# Altium PCB PCB_MPPT_21062020.PcbDoc (part 2 of 3) (continued)
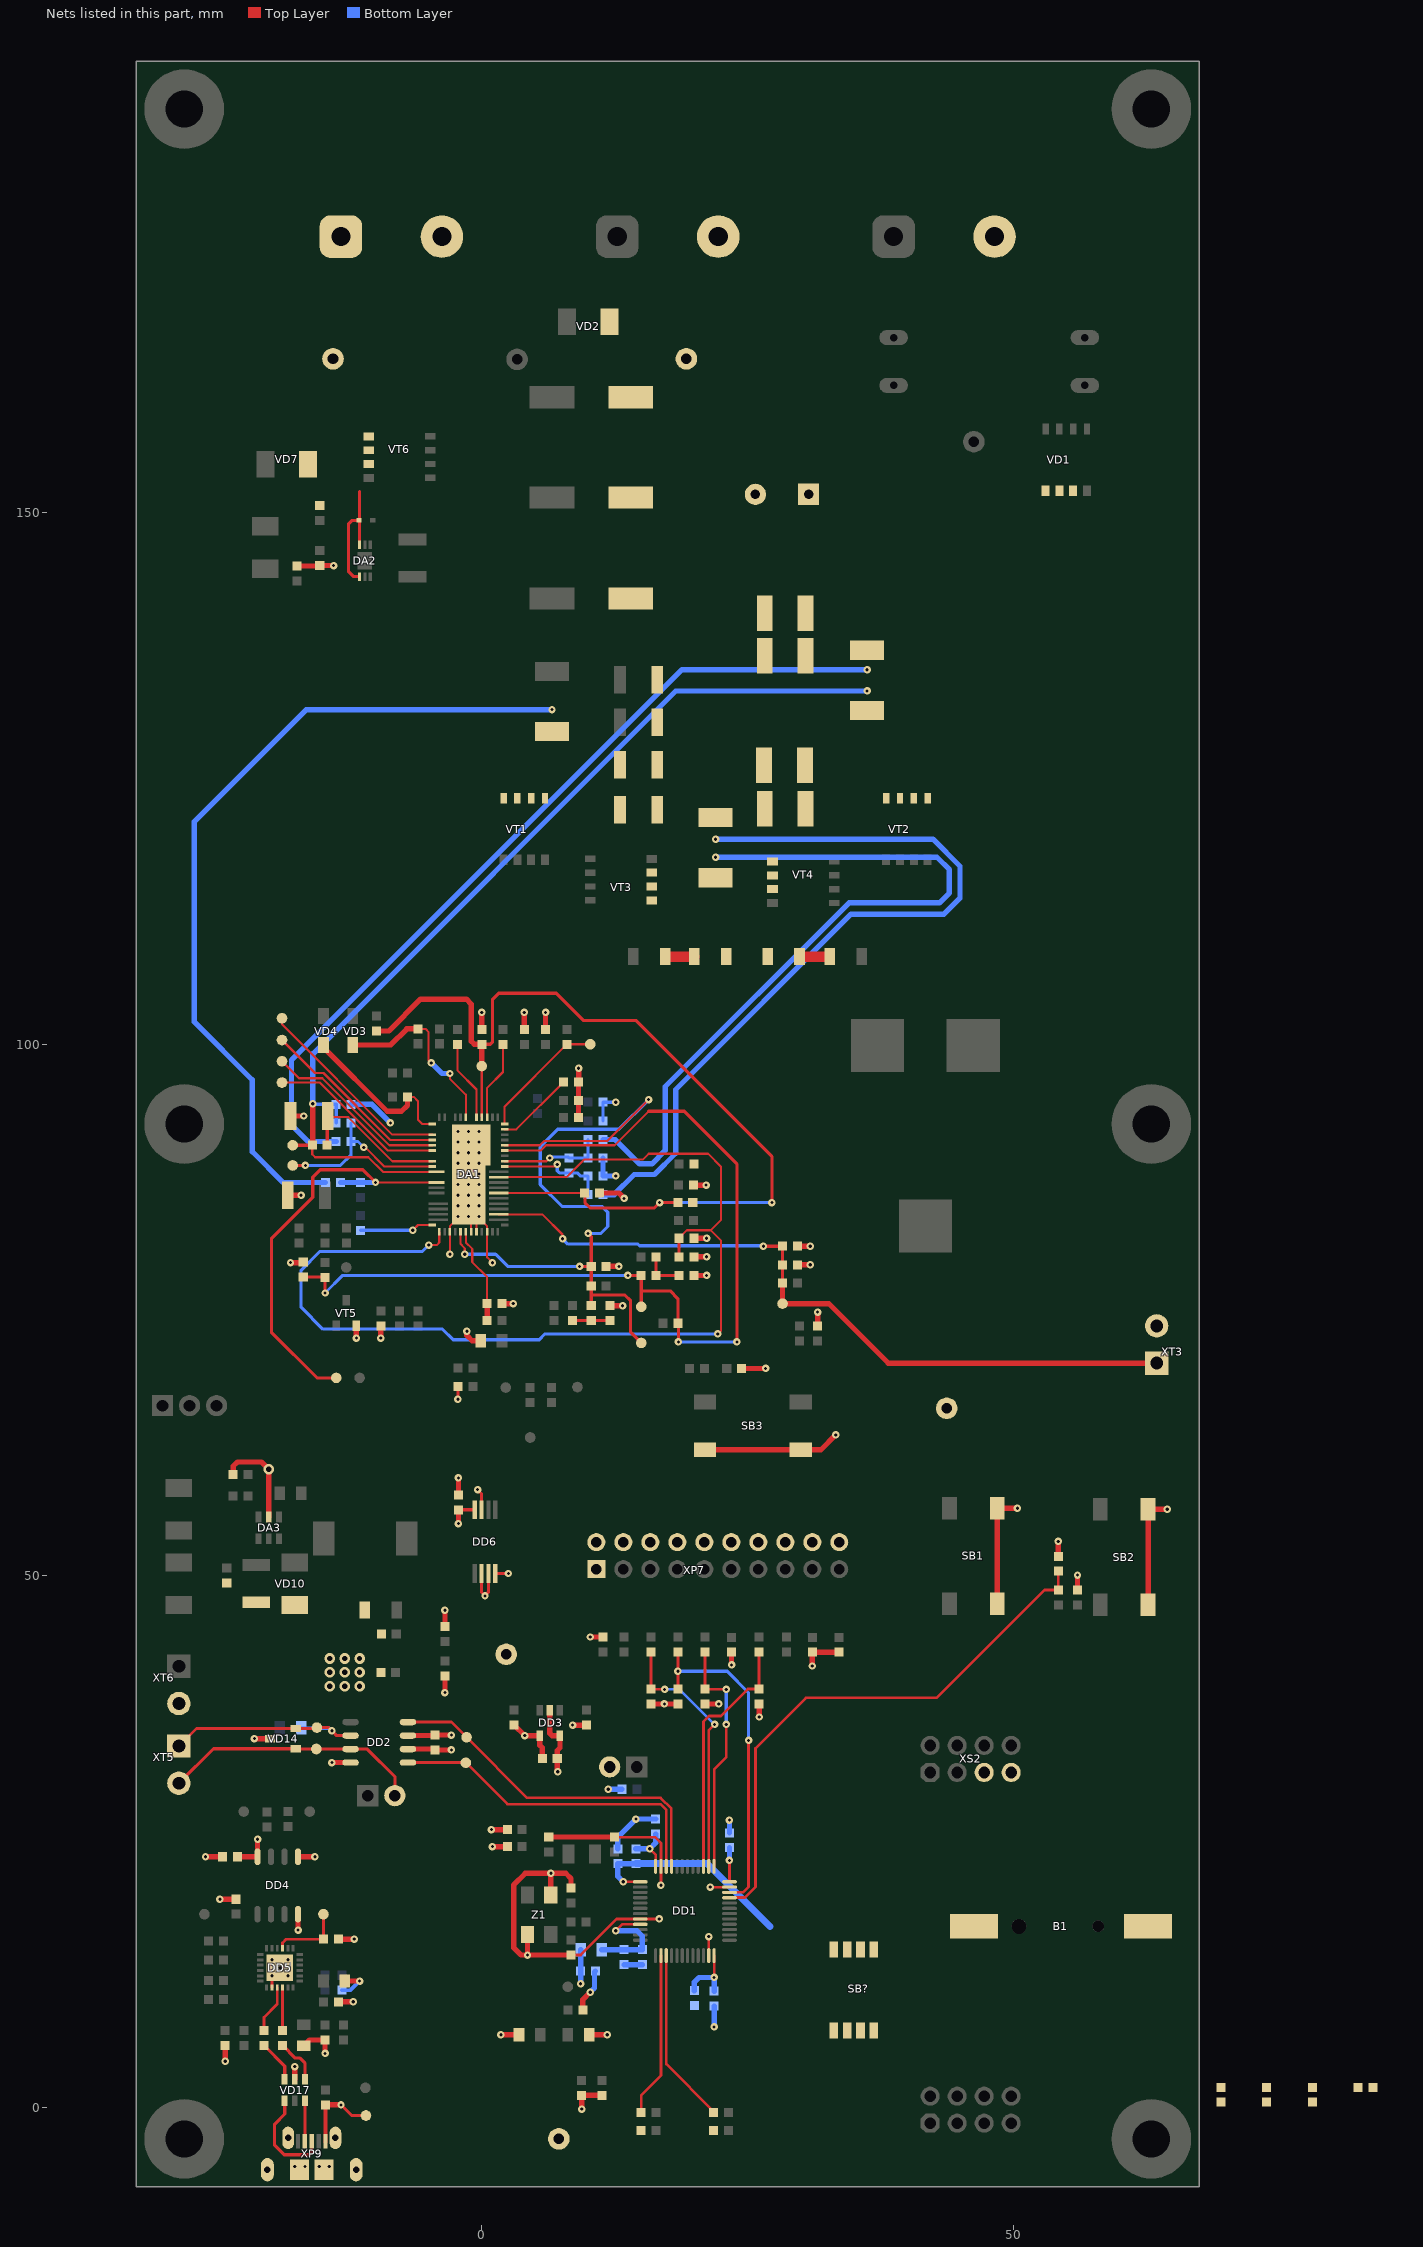
[diagram p4: the nets of this part, all layers, seen from the top]
## Part data (continued)
R47: library part Resistor_0603, Manufacturer=Vishay, Package=0603, PartNumber=CRCW06034K99FKEAC, Power=0.1W, Temperature=-55...+125°C, Tolerance=±1%, TypeResistor="Res, SMD", HelpURL=https://www.digikey.com/product-detail/en/vishay-dale/CRCW06034K99FKEAC/541-3985-1-ND/7928668, ValueManufacturerPartNumber="Res, SMD, 4.99k, ±1%, 0603, 0.1W"
R48: library part Resistor_0603, Manufacturer=Vishay, Package=0603, PartNumber=CRCW0603110KFKEA, Power=0.1W, Temperature=-55...+125°C, Tolerance=±1%, TypeResistor="Res, SMD", HelpURL=https://www.digikey.com/product-detail/en/vishay-dale/CRCW0603110KFKEA/541-110KHCT-ND/1180042, ValueManufacturerPartNumber="Res, SMD, 110k, ±1%, 0603, 0.1W"
R51: library part Resistor_0603, Manufacturer=Vishay, Package=0603, PartNumber=CRCW060335K7FKEA, Power=0.1W, Temperature=-55...+125°C, Tolerance=±1%, TypeResistor="Res, SMD", HelpURL=https://www.digikey.com/product-detail/en/vishay-dale/CRCW060335K7FKEA/541-35.7KHCT-ND/1179985, ValueManufacturerPartNumber="Res, SMD, 35.7k, ±1%, 0603, 0.1W"
R52: library part Resistor_0603, Manufacturer=Vishay, Package=0603, PartNumber=CRCW060333K2FKEAC, Power=0.1W, Temperature=-55...+125°C, Tolerance=±1%, TypeResistor="Res, SMD", HelpURL=https://www.digikey.com/product-detail/en/vishay-dale/CRCW060333K2FKEAC/541-4052-1-ND/7928735, ValueManufacturerPartNumber="Res, SMD, 33.2k, ±1%, 0603, 0.1W"
R55: library part NTC, Manufacturer=TDK, MaxCurrent=3650K, Package=0805, PartNumber=B57401V2472J062, Temperature=-55...+125°C, Tolerance=±5%, TypeResistor="NTC resistor", HelpURL=https://www.digikey.com/product-detail/en/tdk-electronics-inc/B57401V2472J062/495-7444-1-ND/6073136, ValueManufacturerPartNumber="NTC resistor, 4.7k, ±5%, 0805, 3650K, -55...+125°C"
R57 R95 R96: library part Resistor_0603, Manufacturer=Vishay, Package=0603, PartNumber=CRCW0603330RFKEAC, Power=0.1W, Temperature=-55...+125°C, Tolerance=±1%, TypeResistor="Res, SMD", HelpURL=https://www.digikey.com/product-detail/en/vishay-dale/CRCW0603330RFKEAC/541-4026-1-ND/7928709, ValueManufacturerPartNumber="Res, SMD, 330, ±1%, 0603, 0.1W"
R58: library part Resistor_0805, Manufacturer=Vishay, Package=0805, PartNumber=CRCW08055K10FKEA, Power=0.125W, Temperature=-55...+125°C, Tolerance=±1%, TypeResistor="Resistor film", HelpURL=https://www.digikey.com/product-detail/en/vishay-dale/CRCW08055K10FKEA/541-5.10KCCT-ND/1180863, ValueManufacturerPartNumber="Resistor film, 5.1k, ±1%, 0805, 0.125W"
R59: library part Resistor_0603, Manufacturer=Vishay, Package=0603, PartNumber=CRCW06038K45FKEA, Power=0.1W, Temperature=-55...+125°C, Tolerance=±1%, TypeResistor="Res, SMD", HelpURL=https://www.digikey.com/product-detail/en/vishay-dale/CRCW06038K45FKEA/541-8.45KHCT-ND/1179916, ValueManufacturerPartNumber="Res, SMD, 8.45k, ±1%, 0603, 0.1W"
R65 R68 R69 R70 R71 R73 R103 R104 R106 R107: library part Resistor_0603, Manufacturer=Vishay, Package=0603, PartNumber=CRCW060322R0JNEA, Power=0.1W, Temperature=-55...+125°C, Tolerance=±5%, TypeResistor="Res, SMD", HelpURL=https://www.digikey.com/product-detail/en/vishay-dale/CRCW060322R0JNEA/541-22GCT-ND/1179329, ValueManufacturerPartNumber="Res, SMD, 22, ±5%, 0603, 0.1W"
R98: library part Resistor_0805, Manufacturer=Vishay, Package=0805, PartNumber=CRCW0805120RJNEA, Power=0.125W, Temperature=-55...+125°C, Tolerance=±5%, TypeResistor="Resistor film", HelpURL=https://www.digikey.com/product-detail/en/vishay-dale/CRCW0805120RJNEA/541-120ACT-ND/1180318, ValueManufacturerPartNumber="Resistor film, 120, ±5%, 0805, 0.125W"
SB1 SB2 SB3: library part Button_tactile, Manufacturer="TE Connectivity", Package=6x6mm, PartNumber=FSM2JSMAATR, HelpURL=https://www.digikey.com/product-detail/en/te-connectivity-alcoswitch-switches/FSM2JSMAATR/450-1792-1-ND/3503931, TypeButton="Tactile button", ValueManufacturerPartNumber="Tactile button, 6x6mm"
  SB1: CommentText="\"RST\""
  SB2: CommentText="\"USER\""
  SB3: CommentText="\"SHDN\""
SB?: library part Button_switch, CurrentMax=25mA, Manufacturer="TE Connectivity", PartNumber=1571983-4, Temperature=-40...+85°C, VoltageMax=24VDC, HelpURL=https://www.chipdip.ru/product/tyco-1571983-4, Multichannel=4pin, TypeButton="DIP switch", ValueManufacturerPartNumber="DIP switch, 4pin, 24VDC, 25mA, -40...+85°C"
VD1: library part Schottky_single_TDFN, Current=10A, Manufacturer="ON Semiconductor", Package="8-PowerTDFN, 5 Leads", PartNumber=NTS10100MFST3G, Voltage=100V, VoltageDrop="690mV @ 10A", ClassName=Polygon_direct, HelpURL=https://www.digikey.com/product-detail/en/on-semiconductor/NTS10100MFST3G/NTS10100MFST3GCT-ND/6050812, TypeDiode="Schottky diode", ValueManufacturerPartNumber="Schottky diode, 100V, 10A, 690mV @ 10A, 8-PowerTDFN, 5 Leads"
VD2: library part TVS_single_uni, Current=400W, Manufacturer="Diodes Incorporated", Package=SMA, PartNumber=SMAJ48A-13-F, Temperature=-55...+150°C, Voltage=48V, HelpURL=https://www.digikey.com/product-detail/en/diodes-incorporated/SMAJ48A-13-F/SMAJ48A-FDICT-ND/816024, TypeDiode="TVS DIODE UNI", ValueManufacturerPartNumber="TVS DIODE UNI, 48V, 400W, SMA"
VD3 VD4: library part Diode_single, Current=1A, Manufacturer="Central Semi.", Package=SOD-123F, PartNumber="CMMR1U-02 TR", Temperature=-65...+150°C, Voltage=200V, VoltageDrop="1.7V @ 1A", HelpURL=https://www.digikey.com/product-detail/en/central-semiconductor-corp/CMMR1U-02-TR-PBFREE/1514-CMMR1U-02TRPBFREECT-ND/4807014, RecoveryTime=50ns, TypeDiode="Ultra Fast Rectifier Single", ValueManufacturerPartNumber="Ultra Fast Rectifier Single, 200V, 1A, SOD-123F"
VD5 VD9 VD12 VD13 VD18: library part LED_single, Color=GREEN, Current=20mA, Manufacturer=Wurth, Package=0603, PartNumber=150060VS75000, Temperature=-55...+150°C, VoltageDrop=2V, HelpURL=https://www.digikey.com/product-detail/en/wurth-electronics-inc/150060VS75000/732-4980-1-ND/4489904
  VD5: ShowComment=STATUS, TypeDiode=LED, ValueManufacturerPartNumber="LED, 0603, GREEN"
  VD9: ShowComment=3V3, TypeDiode=LED, ValueManufacturerPartNumber="LED, 0603, GREEN"
  VD12: ShowComment=LED1, TypeDiode="LED GREEN", ValueManufacturerPartNumber="LED GREEN, 0603, GREEN"
  VD13: ShowComment=LED2, TypeDiode="LED GREEN", ValueManufacturerPartNumber="LED GREEN, 0603, GREEN"
  VD18: ShowComment=VBUS, TypeDiode=LED, ValueManufacturerPartNumber="LED, 0603"
VD6: library part Zener_single, Current=300mW, Manufacturer="Diodes Incorporated", Package=SOD-523, PartNumber=BZT52C12T-7, Temperature=-60...+150°C, Voltage=12V, VoltageDrop="900mV @ 10mA", HelpURL=https://www.digikey.com/product-detail/en/diodes-incorporated/BZT52C12T-7/BZT52C12T-7DICT-ND/2181075, TypeDiode="Zener diode", ValueManufacturerPartNumber="Zener diode, 12V, 300mW, SOD-523"
VD7: library part TVS_single_uni, Current=400W, Manufacturer="Diodes Incorporated", Package=SMA, PartNumber=SMAT70A-13-F, Temperature=-55...+150°C, Voltage=70V, HelpURL=https://www.digikey.com/product-detail/en/diodes-incorporated/SMAT70A-13-F/SMAT70A-FDICT-ND/804910, TypeDiode="TVS DIODE UNI", ValueManufacturerPartNumber="TVS DIODE UNI, 70V, 400W, SMA"
VD8: library part TVS_single_uni, Current=400W, Manufacturer="Diodes Incorporated", Package=SMA, PartNumber=SMAJ24A-13-F, Temperature=-55...+150°C, Voltage=24V, HelpURL=https://www.digikey.com/product-detail/en/diodes-incorporated/SMAJ24A-13-F/SMAJ24A-FDICT-ND/724994, TypeDiode="TVS DIODE UNI", ValueManufacturerPartNumber="TVS DIODE UNI, 24V, 400W, SMA"
VD10 VD19 VD20: library part Schottky_single, Current=1A, Manufacturer=Vishay, Package=SMA, PartNumber=MBR0580S1-7, Temperature=-55...+150°C, Voltage=100V, VoltageDrop="780mV @ 1A", ClassName=Polygon_direct, HelpURL=https://www.digikey.com/product-detail/en/vishay-semiconductor-diodes-division/VS-10MQ100NTRPBF/10MQ100NPBFCT-ND/812503, TypeDiode="Schottky diode", ValueManufacturerPartNumber="Schottky diode, 100V, 1A, , SMA"
VD14: library part TVS_array, Current="230W peak", Manufacturer=STMicroelectronics, Package=SOT-23, PartNumber=ESDCAN06-2BLY, Temperature=-40...+150°C, Voltage=24V, VoltageDrop=3A, HelpURL=https://www.digikey.com/product-detail/en/stmicroelectronics/ESDCAN06-2BLY/497-19090-1-ND/10057130, RecoveryTime=13pF, TypeDiode="TVS diode", ValueManufacturerPartNumber="TVS diode, 24V, 230W peak, 3A, 13pF, SOT-23, -40...+150°C"
VD15: library part LED_single, Color=BLUE, Current=20mA, Manufacturer=Wurth, Package=0603, PartNumber=150060BS75000, Temperature=-55...+150°C, VoltageDrop=3.2V, HelpURL=https://www.digikey.com/product-detail/en/wurth-electronics-inc/150060BS75000/732-4966-1-ND/4489893, ShowComment=TX, TypeDiode=LED, ValueManufacturerPartNumber="LED, 0603, BLUE"
VD16: library part LED_single, Color=YELLOW, Current=20mA, Manufacturer=Wurth, Package=0603, PartNumber=150060YS75000, Temperature=-55...+150°C, VoltageDrop=2V, HelpURL=https://www.digikey.com/product-detail/en/wurth-electronics-inc/150060YS75000/732-4981-1-ND/4489907, ShowComment=RX, TypeDiode=LED, ValueManufacturerPartNumber="LED, 0603, YELLOW"
VD17: library part USBLC6-2SC6, Manufacturer="ST Microelectronics", Package=SOT23-6L, Temperature=-55...+150°C, Voltage=5V, ClassName=Polygon_direct, HelpURL=https://www.digikey.com/product-detail/en/stmicroelectronics/USBLC6-2SC6/497-5235-1-ND/1121688, PartNumber=USBLC6-2SC6, TypeDiode="TVS USB ESD", ValueManufacturerPartNumber="TVS USB ESD, 5V, SOT23-6L"
VT1 VT2 VT3 VT4: library part MOSFET_N_TDSON-8, "Òðàíçèñòîð", CurrentDS=76A, Manufacturer="Infineon Technologies", Package=PG-TDSON-8, PartNumber=BSC060N10NS3G, VoltageDS=100V, ClassName=Polygon_direct, RDS=6mOhm, TypeTransistor="MOSFET N-ch", ValueManufacturerPartNumber="MOSFET N-ch, 100V, PG-TDSON-8"
  VT1: Analog="BSC070N10NS3 G", HelpURL=https://www.digikey.com/product-detail/en/infineon-technologies/BSC060N10NS3GATMA1/BSC060N10NS3GATMA1CT-ND/2231035
VT5: library part BJT_NPN_132, CurrentCE=200mA, CurrentGain="100 @ 10mA, 1V", Frequency=300MHz, Manufacturer="Diodes Inc.", MaxPower=300mW, Package=SOT-23, PartNumber=MMBT3904-7-F, Temperature=-55...+150°C, VoltageCE=40V, ClassName=Polygon_direct, HelpURL=https://www.digikey.com/product-detail/en/diodes-incorporated/MMBT3904-7-F/MMBT3904-FDICT-ND/815727, TypeTransistor="NPN transistor", ValueManufacturerPartNumber="NPN transistor, 40V, 200mA, SOT-23"
VT6: library part MOSFET_N_TDSON-8, "Òðàíçèñòîð", CurrentDS=12A, Manufacturer="ON Semiconductor", MaxPower=2.5W, Package=8-PowerTDFN, PartNumber=FDMS86101, Temperature="-55°C ~ 150°C (TJ)", VoltageDS=100V, ClassName=Polygon_direct, GateCharge="55nC @ 10V", HelpURL=https://www.digikey.com/product-detail/en/on-semiconductor/FDMS86101/FDMS86101CT-ND/2060386, RDS="8mOhm @ 13A, 10V", TypeTransistor="MOSFET N-ch", ValueManufacturerPartNumber="MOSFET N-ch, 100V, 12A, 8-PowerTDFN"
XP1 XP2 XP3 XP6: library part 5000, "Test Point, Miniature, Red, TH", Color=Red, Manufacturer=Keystone, ValueManufacturerPartNumber="Test Point, Red", ComponentLink1Description="Datasheet URL", ContactFinish=Silver, HelpURL=https://www.digikey.com/product-detail/en/keystone-electronics/5000/36-5000-ND/255326, MountType=TH, PackageReference="Red Miniature Testpoint", PartNumber=5000, TypeConnector="Test Point"
  XP1: NOTE="\"PV+\""
  XP2: NOTE="\"VBAT\""
  XP3: NOTE="\"DC\""
XP4 XP5 XP10: library part 5001, "Test Point, Miniature, Black, TH", Color=Black, Manufacturer=Keystone, ValueManufacturerPartNumber="Test Point, Black", ContactFinish=Silver, HelpURL=https://www.digikey.com/product-detail/en/keystone-electronics/5001/36-5001-ND/255327, PartNumber=5001, TypeConnector="Test Point"
  XP5: NOTE="\"GND\""
XP7: library part IDC-20, CurrentMax=3A, Manufacturer="On Shore Technology Inc.", PartNumber=IDC-20M, VoltageMax=250VAC, CommentText="\"JTAG\"", HelpURL=https://www.digikey.com/product-detail/en/on-shore-technology-inc/302-S201/ED10524-ND/2794235, Multichannel=20pin, Pitch=2.54mm, TypeConnector="Connector IDC", ValueManufacturerPartNumber="Connector IDC, 20pin, 2.54mm"
XP9: library part Connector_USB_micro_AB, "molex", Manufacturer=Molex, PartNumber=0475890001, ClassName=Polygon_direct, CommentText="\"USB\"", HelpURL=https://www.digikey.com/product-detail/en/molex/0475890001/WM17143DKR-ND/1832257, TypeConnector="USB micro (AB)", ValueManufacturerPartNumber="USB micro (AB)"
XS1 XS2: library part PBD-8, CurrentMax=3A, Manufacturer=Connfly, VoltageMax=500VAC, CommentText="\"Ðàçúåì\"", HelpURL=https://www.chipdip.ru/product/pbd-8, Multichannel=8pin, PartNumber=PBD-8, Pitch=2.54mm, TypeConnector=Connector, ValueManufacturerPartNumber="Connector, 8pin, 2.54mm, 500VAC, 3A"
XT1 XT2 XT4: library part Connector_6PCV-02, CurrentMax=25A, Manufacturer="TE Connectivity", PartNumber=6PCV-02-006, VoltageMax=300VAC, HelpURL=https://www.digikey.com/products/en?keywords=6PCV-02-006, Multichannel=2pin, Pitch=9.53mm, TypeConnector=Connector, ValueManufacturerPartNumber="Connector, 2pin, 9.53mm, 300VAC, 25A"
  XT1: CommentText="\"PANEL IN\"", row1=PV+, row2=PV-
  XT2: CommentText="\"VBAT\"", row1=BAT+, row2=BAT-
  XT4: CommentText="\"DC IN\"", row1=DC+, row2=DC-
XT3 XT5 XT6: library part Connector_terminal_2pin, CurrentMax=12A, Manufacturer=Molex, PartNumber=0393570002, VoltageMax=300VAC, HelpURL=https://www.digikey.com/product-detail/en/molex/0393570002/WM7877-ND/946543, Multichannel=2pin, Pitch=3.5mm, TypeConnector="Terminal connector", ValueManufacturerPartNumber="Terminal connector, 2pin, 3.5mm, 300VAC, 12A"
  XT3: CommentText="\"NTC\"", row1=SENSE+, row2=SENSE-
  XT5: CommentText="\"CAN\"", row1=CANH, row2=CANL
  XT6: CommentText="\"7-48VIN\"", row1=12VIN, row2=GND
Z1: library part Oscilator_5032, Frequency=8MHz, LoadCapacitance=18pF, Manufacturer="ECS Inc.", Package="case 5032", PartNumber=ECS-80-18-30B-AGN-TR, Temperature=-40...+85°C, Tolerance=±25ppm, HelpURL=https://www.digikey.com/product-detail/en/ecs-inc/ECS-80-18-30B-AGN-TR/XC2709CT-ND/8023644, TypeOscilator=Oscilator, ValueManufacturerPartNumber="Oscilator, 8MHz, 18pF, ±25ppm, case 5032"
Z2: library part Crystal_3215, Frequency=32.768kHz, LoadCapacitance=6pF, Manufacturer=NDK, Package="case 3215", PartNumber=NX3215SA-32.768K-20ppm-70KOhm-7pF, Temperature=-40...+85°C, Tolerance=±20ppm, Analog="NX3215SA-32.768K-STD-MUA-14 / NDK", ESR=70kOhm, HelpURL=https://www.chipdip.ru/product0/9000523964, HelpURL1=https://www.electronshik.ru/item/NDK/NX3215SA-32.768K-STD-MUA-14, TypeOscilator=Crystal, ValueManufacturerPartNumber="Crystal, 32.768kHz, 6pF, ±20ppm, case 3215, -40...+85°C"
B1: Battery="CR1220 MFR.SC \"RENATA\"", HelpURL=https://www.electronshik.ru/item/RENATA/CR1220%20MFR.IB, HelpURL1=https://www.digikey.com/product-detail/en/harwin-inc/S8411-45R/952-1745-2-ND/3131055, Holder="S8411-45R HARWIN", HolderAnalog=KLS5-CR1220-02, Pattern/Footprint=CR1220

## Free pads (board coordinates)
  round 7.5 / inner round 3.5 / far side round 7.5 hole 3.5: KREP(-28,188) KREP(-28,-3) KREP(-28,92.5) KREP(63,92.5) KREP(63,-3) KREP(63,188)

## Via types
v1: diameter 0.7, hole 0.3, Top Layer to Bottom Layer, 219 vias
v2: diameter 1, hole 0.5, Top Layer to Bottom Layer, 21 vias

## Nets (pads, with @x,y where several pads share a name; then routed paths per layer and width w, separated by ;. In a path a pad name is that pad's centre, name@x,y a point inside that pad or via, vN(x,y) a via of type N, cw(c..) or ccw(c..) an arc to the next point about the centre after c; other vN are vias at no path point)
3.3V: C51.2 C52.2 C54.2 C57.2 C64.2 C65.2 C68.1 C76.2 C77.2 DD1.24 DD1.36 DD1.48 DD2.3 DD3.4 DD4.8 DD6.2 DD6.3 DD6.8 JP3.2 L3.1 R54.1 R55.2 R60.2 R61.2 R62.2 R63.2 R88.2 R99.1 R100.1 R112.1 R113.2 R114.2 SB2.2 SB?.2 SB?.4 SB?.6 SB?.8 VD9.1 XP6.1 XP7.1 XP7.2 XS2.5 | length 62.4
  Top Layer w0.25: v1(15.8,24.3) 16.359,23.741 DD1.48@16.359,22.645 ; v1(21.859,12.195) DD1.24@21.859,14.245 ; DD1.36@23.309,21.195 v1@23.309,23.191
  Top Layer w0.3: C77.2@-2.2,56.2 DD6.8@-0.675,56.201 ; DD6.2@-0.025,50.199 -0.025,48.425 v1(0.3,48.1) 0.625,48.425 DD6.3@0.625,50.199
  Top Layer w0.5: C68.1@-22.997,23.55 DD4.8@-21.102,23.55 -21.102,25.198 v1(-21.1,25.2) ; DD2.3@-6.95,34.953 C64.2@-4.447,34.953 ; C64.2@-4.4,35 v1(-2.855,35) ; v1(-3.47,39) VD9.1@-3.47,40.55 ; v1(-2.2,54.9) C77.2@-2.2,56.2 ; v1(0.9,26.1) R88.2@2.4,26.1 ; v1(1.8,6.8) R55.2@3.5,6.8 ; R100.1@3.039,35.954 v1(4.043,34.95) DD3.4@5.45,34.95 5.45,34.054 5.7,33.804 C65.2@5.7,32.799 ; v1(8.539,35.936) 9.821,35.936 R99.1@9.839,35.954 ; v1(9.4,-0.2) R113.2@9.4,1.1 R114.2@11.3,1.1 ; v1(10.2,44.228) R60.2@11.416,44.228 ; R61.2@15.916,37.928 R62.2@18.458,37.928 ; R63.2@26.078,37.928 26.1,37.906 v1(26.1,36.7) ; SB2.2@62.7,47.25 SB2.2@62.7,56.25 v1(64.5,56.25)
  Bottom Layer w0.5: v1(9.3,11.6) C57.2@9.3,12.8 L3.1@9.3,14.8 ; R112.1@14.5,24.3 v1(15.8,24.3) 16.359,24.859 C51.2@16.359,25.695 ; C76.2@20,10.95 20,11.75 20.445,12.195 v1(21.859,12.195) C52.2@21.859,10.895 ; v1(23.3,23.2) C54.2@23.3,24.4
  other v1: 17.187,37.928
  other v2: -14.3,39.6 -12.9,39.6 -11.5,39.6 -14.3,40.9 -12.9,40.9 -11.5,40.9 -14.3,42.2 -12.9,42.2 -11.5,42.2
3.3VA: C55.2 C56.2 DD1.9 L3.2 | length 10.4
  Top Layer w0.25: v1(12.6,16.591) 13.205,17.195 DD1.9@14.909,17.195
  Bottom Layer w0.5: L3.2@11.3,14.8 C55.2@13.4,14.8 C56.2@15.1,14.8 15.1,16.1 14.609,16.591 v1(12.6,16.591)
A: C18.1 C19.1 R12.2 R14.1 VT3.1 VT3.2 VT3.3 VT4.1 VT4.2 VT4.3 | length 72.3
  Bottom Layer w0.5: R14.1@11.4,91.05 12.55,91.05 14.85,88.75 16,88.75 17.25,90 17.25,96.002 34.559,113.311 43.061,113.311 44,114.25 44,116.439 42.839,117.6 v1(22,117.6)
A0: R118.2 SB?.1
A1: R119.2 SB?.3
A2: R120.2 SB?.5
A3: R121.2 SB?.7
AGND: B1.- C14.1 C17.1 C21.2 C22.2 C25.1 C26.1 C27.1 C28.2 C29.1 C30.2 C31.1 C32.1 C33.1 C34.1 C35.1 C36.1 C37.1 C38.1 C39.1 C42.1 C43.1 C44.1 C45.1 C46.1 C51.1 C52.1 C53.1 C54.1 C55.1 C56.1 C57.1 C60.1 C61.1 C62.1 C63.1 C64.1 C65.1 C68.2 C74.2 C75.2 C76.1 C77.1 DA1.52 DA1.55 DA1.59 DA1.60 DA1.62 DA1.65 DA3.2 DD1.8 DD1.23 DD1.35 DD1.47 DD2.2 DD2.8 DD3.2 DD3.5 DD4.5 DD6.4 DD6.7 NT1.1 R26.2 R27.1 R28.2 R29.2 R33.1 R34.1 R39.1 R40.1 R41.1 R44.1 R45.1 R49.1 R51.1 R57.1 R58.2 R59.1 R77.1 R92.1 R95.1 R96.1 R97.1 R115.1 R116.1 R117.1 R118.1 R119.1 R120.1 R121.1 SB1.1 SB3.1 VD10.1 VD14.3 VT5.2 XP4.1 XP7.4 XP7.6 XP7.8 XP7.10 XP7.12 XP7.14 XP7.16 XP7.18 XP7.20 XP10.1 XS2.7 XT3.2 XT6.2 Z1.2 Z1.4 | length 207.3
  Top Layer w0.2: v1(-6.5,82.5) -6,83 DA1.52@-4.65,83 ; v1(-3,80.25) DA1.55@-3,82.35 -3,82.892 -2.25,83.642 v1(-2.25,83.8) ; DA1.59@-1,82.35 DA1.65@-1,87.5 ; DA1.60@-0.5,82.35 DA1.65@-0.5,87 ; v1(-0.25,83.8) -0.25,83.642 0.5,82.892 DA1.62@0.5,82.35 0.5,79.955 1,79.455 v1(1,79.45) ; v1(-0.25,90.8) 0.275,90.8 DA1.65@0.55,90.525
  Top Layer w0.25: C62.1@8.4,14.3 9.3,14.3 12.695,17.695 DD1.8@14.909,17.695 v1(16.695,17.695) ; C74.2@12.5,25.2 12.7,25.4 16.3,25.4 16.859,24.841 DD1.47@16.859,22.645 v1(16.859,20.859) ; DD1.23@21.359,14.245 v1(21.359,16.041) ; v1(21.5,20.7) 21.505,20.695 DD1.35@23.309,20.695
  Top Layer w0.3: R29.2@-16.855,79.455 R29.2@-16.8,79.4 ; v1(-2.25,66.6) C36.1@-2.25,67.8 ; v1(-0.4,58.1) -0.025,57.725 DD6.7@-0.025,56.201 ; DD6.4@1.275,50.199 v1(2.5,50.2)
  Top Layer w0.5: v1(-26,23.55) C68.2@-24.397,23.55 ; R59.1@-23.4,59.5 -23.4,60.297 -22.997,60.7 -20.747,60.7 v2(-20.047,60) DA3.2@-20.047,55.525 ; v1(-21.4,34.666) VD14.3@-19.9,34.666 ; C25.1@-18.25,85.8 v1(-17,85.8) ; C28.2@-18.05,93.2 C28.2@-18,93.25 v1(-16.75,93.25) ; v1(-18,79.455) R29.2@-16.855,79.455 ; DD4.5@-17.292,23.55 v1(-15.7,23.55) ; v1(-14.1,32.413) DD2.8@-12.35,32.413 ; v1(-11.8,72.355) VT5.2@-11.8,73.5 ; v1(-9.5,72.355) R28.2@-9.5,73.5 ; DD2.2@-6.95,33.683 -4.483,33.683 C64.1@-4.4,33.6 v1(-2.855,33.6) ; R57.1@-3.47,45.2 v1(-3.47,46.75) ; C77.1@-2.2,57.6 v1(-2.2,59.2) ; v1(-1.405,73) -1.405,72.605 -0.9,72.1 C31.1@-0.1,72.1 ; C30.2@0,101.4 v1(0,103) ; v1(1,24.5) C60.1@2.4,24.5 ; C32.1@1.9,75.6 v1(2.959,75.6) ; R41.1@4,101.4 v1(4,103) ; Z1.2@4.3,16.25 v1(4.3,14.3) ; R39.1@6,101.4 v1(6,103) ; C75.2@6.3,25.4 C74.2@12.5,25.4 ; DD3.2@6.4,37.35 6.4,35.156 6.606,34.95 DD3.5@7.35,34.95 7.35,33.804 7.1,33.554 C65.1@7.1,32.799 7.1,31.593 v1(7.139,31.554) ; Z1.4@6.5,19.95 v1(6.5,22) ; C62.1@8.4,14.3 v1(4.3,14.3) ; C61.1@8.4,20.6 8.4,21.5 7.9,22 v1(6.5,22) ; R44.1@9.1,93.1 C35.1@9.1,94.7 C34.1@9.1,96.45 9.109,96.459 v1(9.109,97.75) ; C46.1@9.505,9.109 9.505,10.105 v1(10.2,10.8) ; R58.2@10.1,6.8 v1(11.8,6.8) ; C29.1@11.059,86 12.893,86 v1(13.393,85.5) ; R27.1@11.7,79.1 v1(12.9,79.1) ; C26.1@12.05,75.4 v1(13.25,75.4) ; R26.2@19.9,86.75 v1(21.1,86.75) ; C27.1@19.95,78.25 v1(21.15,78.25) ; C33.1@19.95,80 v1(21.15,80) ; R34.1@19.95,81.75 v1(21.15,81.75) ; R77.1@20.998,37.928 v1(22.3,37.928) ; SB3.1@21,61.85 SB3.1@30,61.85 31.9,61.85 v1(33.3,63.25) ; v1(23.5,41.6) R117.1@23.5,42.8 ; R51.1@24.45,69.5 v1(26.7,69.5) ; R49.1@29.7,79.25 v1(30.9,79.25) ; C38.1@29.7,81 v1(30.9,81) ; v1(31.1,41.5) R116.1@31.1,42.8 R115.1@33.6,42.8 ; R33.1@31.6,73.5 v1(31.6,74.8) ; SB1.1@48.5,47.35 SB1.1@48.5,56.35 v1(50.4,56.35) ; C63.1@54.25,51.818 v1(54.25,53.218) ; R97.1@56.055,48.65 v1(56.055,50.05) ; v1(4.3,14.3) 3.7,14.3 3,15 3,20.9 4.1,22 v1(6.5,22)
  Bottom Layer w0.3: C17.1@-11.4,82.5 v1(-6.5,82.5) ; C37.1@11.4,92.8 C39.1@11.4,94.55 v1(12.6,94.55)
  Bottom Layer w0.5: C14.1@-12.3,94.35 -10.35,94.35 v1(-8.6,92.6) ; v1(10.2,10.8) 10.6,11.2 10.6,12.7 C57.1@10.7,12.8 ; C21.2@11.4,89.3 C22.2@11.4,87.6 12.584,87.6 v1(12.6,87.616) ; v1(11.9,29.9) R92.1@13.2,29.9 ; C53.1@12.8,24.3 12.8,25.395 v1(14.5,27.095) C51.1@16.359,27.095 ; C55.1@13.4,13.4 C56.1@15.1,13.4 ; v1(21.859,7.541) C52.1@21.859,9.495 ; C54.1@23.3,25.8 v1(23.3,27)
  other v1: -1.25,83.8 -2.25,84.8 -1.25,84.8 -0.25,84.8 -2.25,85.8 -1.25,85.8 -0.25,85.8 -2.25,86.8 -1.25,86.8 -0.25,86.8 -2.25,87.8 -1.25,87.8 -0.25,87.8 -2.25,88.8 -1.25,88.8 -0.25,88.8 -2.25,89.8 -1.25,89.8 -0.25,89.8 -2.25,90.8 -1.25,90.8 -2.25,91.8 -1.25,91.8 -0.25,91.8
AVDD: C32.2 DA1.58 R32.2 | length 9.2
  Top Layer w0.2: DA1.58@-1.5,82.35 -1.5,81.35 -0.9,80.75 -0.9,79.5 0.5,78.1 0.5,75.7 C32.2@0.6,75.6
  Top Layer w0.5: R32.2@0.5,74 C32.2@0.5,75.6
BG1: DA1.23 R9.1 | length 7.5
  Top Layer w0.2: DA1.23@0.5,93.15 0.5,95.9 2,97.4 R9.1@2,100
BG2: DA1.25 R10.1 | length 7.6
  Top Layer w0.2: R10.1@-2.3,100 -2.3,97.55 -0.5,95.75 DA1.25@-0.5,93.15
BOOST1: C23.2 DA1.33 VD4.2 | length 16.1
  Top Layer w0.2: C23.2@-7,95.05 -6.4,95.05 -6,94.65 -6,92.9 -5.6,92.5 DA1.33@-4.65,92.5
  Top Layer w0.5: VD4.2@-14.9,99.925 -14.9,99.7 -8.9,93.7 -7.55,93.7 -7,94.25 C23.2@-7,95.05
BOOST2: C24.1 DA1.27 VD3.2 | length 17.8
  Top Layer w0.2: C24.1@-6,101.45 -5.3,101.45 -5,101.15 -5,98.5 v1(-4.75,98.25) ; v1(-3,97.25) -3,96.75 -1.5,95.25 DA1.27@-1.5,93.15
  Top Layer w0.5: VD3.2@-12.15,99.925 -8.575,99.925 -7.05,101.45 C24.1@-6,101.45
  Bottom Layer w0.5: v1(-4.75,98.25) -3.75,97.25 v1(-3,97.25)
BTN1: C63.2 DD1.33 R94.2 | length 52.3
  Top Layer w0.25: DD1.33@23.309,19.695 23.334,19.72 24.757,19.72 25.75,20.714 25.75,33.75 30.5,38.5 42.8,38.5 52.95,48.65 R94.2@54.25,48.65 C63.2@54.25,50.418
CAN-RX: 42.1 DD1.45 DD2.4 | length 33.6
  Top Layer w0.25: DD2.4@-6.95,36.223 -2.855,36.223 42.1@-1.432,34.8 4.268,29.1 16.836,29.1 17.834,28.102 17.834,22.67 DD1.45@17.859,22.645
CAN-TX: 39.1 DD1.46 DD2.1 | length 31.5
  Top Layer w0.25: DD2.1@-6.95,32.413 -1.513,32.413 39.1@-1.5,32.4 2.4,28.5 16.8,28.5 17.359,27.941 DD1.46@17.359,22.645
CANH: 40.1 DD2.7 JP2.2 VD14.1 XT5.2 | length 24.5
  Top Layer w0.3: XT5.2@-28.5,30.466 -25.25,33.716 VD14.1@-17.5,33.716 ; VD14.1@-17.472,33.688 40.1@-15.565,33.688 -12.355,33.688 DD2.7@-12.35,33.683 -10.763,33.683 -8.18,31.1 JP2.2@-8.18,29.3
CANL: 41.1 DD2.6 R98.2 VD14.2 XT5.1 | length 19.8
  Top Layer w0.3: XT5.1@-28.254,34.212 -26.85,35.616 VD14.2@-17.5,35.616 -15.604,35.616 41.1@-15.515,35.705 -14.405,35.705 v1(-14.1,35.4) -13.653,34.953 DD2.6@-12.35,34.953
  Bottom Layer w0.3: R98.2@-16.95,35.65 -14.35,35.65 v1(-14.1,35.4)
CSN: C20.1 C22.1 DA1.12 R15.2 | length 10.5
  Top Layer w0.2: DA1.12@2.15,88.5 6.9,88.5 v1(7.1,88.7)
  Bottom Layer w0.3: v1(7.1,88.7) 7.1,88.1 7.3,87.9 C20.1@8.2,87.9 9,87.9 9.3,87.6 C22.1@10,87.6 R15.2@10,85.85
CSP: C20.2 C21.1 DA1.13 R14.2 | length 9.8
  Top Layer w0.2: DA1.13@2.15,89 6.1,89 v1(6.4,89.3)
  Bottom Layer w0.3: v1(6.4,89.3) 6.5,89.4 8.1,89.4 C20.2@8.2,89.3 C21.1@10,89.3 R14.2@10,91.05
D+: VD17.4 XP9.3 | length 9.5
  Top Layer w0.3: VD17.4@-18.55,0.575 -18.55,-0.653 -19.5,-1.603 -19.5,-3.6 -18.6,-4.5 -16.3,-4.5 -16,-4.2 XP9.3@-16,-3.227
D+_1: R107.2 VD17.3 | length 4
  Top Layer w0.3: R107.2@-20.497,5.8 -18.55,3.853 VD17.3@-18.55,2.625
D+_2: DD5.3 R107.1 | length 4.6
  Top Layer w0.25: R107.1@-20.497,7.2 -20.497,8.444 -19.247,9.694 DD5.3@-19.247,11.25
D-: VD17.6 XP9.2 | length 3.8
  Top Layer w0.3: XP9.2@-16.65,-3.227 VD17.6@-16.65,0.575
D-_1: R106.2 VD17.1 | length 4.3
  Top Layer w0.3: R106.2@-18.747,5.8 -17.547,4.6 -17.1,4.6 -16.65,4.15 VD17.1@-16.65,2.625
D-_2: DD5.4 R106.1 | length 4.1
  Top Layer w0.25: R106.1@-18.747,7.2 DD5.4@-18.747,11.25
DC_IN: DA2.3 DA2.4 R50.2 VD6.1 VD7.2 VT6.1 VT6.2 VT6.3 XP3.1 XT4.1 | length 14.6
  Top Layer w0.3: VD6.1@-11.55,149.3 -12.2,149.3 -12.55,148.95 -12.55,144.5 -12.059,144.009 DA2.4@-11.5,144.009 ; DA2.3@-11.5,146.995 -11.5,152 VD6.1@-11.5,149.3
EXTVCC: C28.1 DA1.40 R3.2 | length 14.4
  Top Layer w0.2: C28.1@-14.5,93.25 -14.4,93.15 -12.566,93.15 -8.416,89 DA1.40@-4.65,89
  Top Layer w0.3: R3.2@-14.55,90.525 -14.55,93.2 C28.1@-14.5,93.25
GATEVCC: 8.1 C29.2 C30.1 DA1.7 DA1.24 R13.2 R45.2 | length 92.8
  Top Layer w0.2: DA1.24@0,93.15 8.1@0,97.95 ; DA1.7@1.6,86 C29.2@9.659,86
  Top Layer w0.3: C30.1@0,100 0.8,100 1,100.2 1,104.2 1.6,104.8 7,104.8 9.55,102.25 14.5,102.25 27.3,89.45 v1(27.3,85.1) ; C29.2@9.659,86 9.7,85.959 9.7,85.1 10.2,84.6 16.234,84.6 v1(16.734,85.1) R45.2@18.45,85.1
  Top Layer w0.5: R13.2@-9.9,101.25 -8.75,101.25 -5.75,104.25 -1.45,104.25 -1,103.8 -1,100.3 -0.7,100 C30.1@0,100 8.1@0,97.95
  Bottom Layer w0.3: v1(16.734,85.1) v1(27.3,85.1)
GND: C1.2 C2.2 C3.2 C4.1 C5.1 C6.1 C7.1 C8.1 C9.1 C11.1 C12.1 C13.2 NT1.2 R12.1 R15.1 R52.1 R53.2 VD2.1 XP5.1 XT1.2 XT2.2 XT4.2 | length 79.1
  Top Layer w0.5: R53.2@-17.4,145 R52.1@-15.3,145 ; R52.1@-15.25,145.05 -13.947,145.05 v1(-13.947,145.047)
  Bottom Layer w0.5: R15.1@11.4,85.85 12.449,85.85 14.349,87.75 16.25,87.75 18.25,89.75 18.25,95.75 34.75,112.25 43.5,112.25 45,113.75 45,116.75 42.45,119.3 v1(22,119.3)
GND_USB: 50.1 C66.2 C67.1 C69.2 C70.2 C71.2 C72.1 DD4.4 DD5.0 DD5.2 R109.1 R110.2 VD17.2 VD18.2 XP9.0 XP9.5 | length 24.3
  Top Layer w0.25: DD5.2@-19.747,11.25 v1(-19.747,12.35)
  Top Layer w0.3: C70.2@-14.775,0.125 C70.2@-14.7,0.05 ; v1(-13.25,0.2) -12.25,-0.8 50.1@-10.9,-0.8
  Top Layer w0.35: XP9.5@-14.7,-3.227 -14.7,0.05 C70.2@-14.7,0.2
  Top Layer w0.5: v1(-24.647,19.55) C69.2@-23.147,19.55 ; v1(-24.147,4.3) VD18.2@-24.147,5.8 ; VD17.2@-17.6,2.625 v1(-17.6,3.8) ; v1(-17.292,16.65) DD4.4@-17.292,18.15 ; C72.1@-16.747,5.75 -16.197,6.3 C71.2@-14.75,6.3 v1(-14.75,5.05) ; C70.2@-14.7,0.2 v1(-13.25,0.2) ; C66.2@-13.5,9.9 v1(-12.1,9.9) ; R109.1@-13.5,15.8 v1(-12,15.8) ; C67.1@-12.9,11.85 v1(-11.5,11.85)
  Bottom Layer w0.35: R110.2@-13.15,11 -12.35,11 v1(-11.5,11.85)
  other v1: -17.6,-5.6 -16.65,-5.6 -15.3,-5.6 -14.35,-5.6 -18.247,12.35 -18.997,13.1 -19.747,13.85 -18.247,13.85
JTCK: DD1.37 R70.1 R77.2 | length 22.6
  Top Layer w0.25: R77.2@21.026,39.3 v1(23,39.3) ; DD1.37@21.859,22.645 21.859,31.759 23,32.9 v1(23,36)
  Top Layer w0.3: R77.2@20.998,39.328 R70.1@20.998,42.828
  Bottom Layer w0.3: v1(23,36) v1(23,39.3)
JTDI: DD1.38 R61.1 R68.1 | length 24.4
  Top Layer w0.25: R68.1@15.916,42.826 R61.1@15.916,39.328 15.944,39.3 v1(17.2,39.3) ; DD1.38@21.359,22.645 21.359,35.459 v1(21.9,36)
  Bottom Layer w0.25: v1(17.2,39.3) 18.6,39.3 v1(21.9,36)
JTDO: DD1.39 R63.1 R71.1 | length 23.6
  Top Layer w0.25: DD1.39@20.859,22.645 20.859,36.259 21.4,36.8 22.5,36.8 25.028,39.328 R63.1@26.078,39.328 R71.1@26.078,42.828
JTMS: DD1.34 R62.1 R69.1 | length 31.3
  Top Layer w0.25: R62.1@18.458,39.328 v1(18.458,41) R69.1@18.458,42.828 ; DD1.34@23.309,20.195 24.595,20.195 25.1,20.7 v1(25.1,34.5)
  Bottom Layer w0.3: v1(18.458,41) 23.1,41 25.1,39 v1(25.1,34.5)
LED1: DD1.14 VD12.1 | length 15.5
  Top Layer w0.25: VD12.1@15,-0.5 15,1.1 16.859,2.959 DD1.14@16.859,14.245
LED2: DD1.15 VD13.1 | length 16.6
  Top Layer w0.25: DD1.15@17.359,14.245 17.359,4.037 VD13.1@21.85,-0.454
Net2_1: 2.1 C16.2 DA1.44 R5.2 | length 39.8
  Top Layer w0.2: v1(-10,87) DA1.44@-4.25,87
  Top Layer w0.3: 2.1@-13.7,68.609 -15.509,68.609 -19.8,72.9 -19.8,81.7 -15.9,85.6 -15.9,87.5 -15.2,88.2 -11.2,88.2 v1(-10,87)
  Bottom Layer w0.5: R5.2@-13.3,87 C16.2@-11.4,87 v1(-10,87)
Net3_1: 3.1 C8.2 C9.2 C14.2 C15.1 DA1.42 R2.2 R3.1 VT2.5 VT2.6 VT2.7 VT2.8 | length 93.9
  Top Layer w0.2: R3.1@-15.95,90.525 -15.95,89.65 -15.675,89.375 -10.675,89.375 -9.3,88 DA1.42@-4.25,88
  Top Layer w0.3: 3.1@-17.8,90.5 R3.1@-15.975,90.5
  Top Layer w0.5: R3.1@-15.9,90.575 v1(-15.9,94.4)
  Bottom Layer w0.3: v1(-15.9,94.4) -15.85,94.35 C14.2@-13.7,94.35 C15.1@-13.7,92.6
  Bottom Layer w0.5: v1(-15.9,94.4) -15.9,99.1 18.25,133.25 v1(36.25,133.25)
Net4_1: 4.1 C15.2 DA1.41 R4.2 | length 17.5
  Top Layer w0.2: v1(-11.1,90.3) -10.964,90.3 -9.164,88.5 DA1.41@-4.65,88.5
  Top Layer w0.3: 4.1@-17.8,88.6 v1(-16.6,88.6)
  Bottom Layer w0.3: v1(-16.6,88.6) -13.3,88.6 -12.3,89.6 R4.2@-12.3,90.85 ; C15.2@-12.3,92.6 R4.2@-12.3,90.85 ; v1(-11.1,90.3) -11.65,90.85 R4.2@-12.3,90.85
Net5_1: 5.1 DA1.16 DA1.57 R18.1 R23.1 R27.2 | length 71.7
  Top Layer w0.2: DA1.57@-2,82.35 -2,81.216 -1.85,81.066 -1.85,81.05 -1.6,80.8 v1(-1.6,80.25) ; DA1.16@2.15,90.5 5.469,90.5 5.869,90.9 11.8,90.9 v1(15.7,94.8)
  Top Layer w0.3: v1(9.2,79.1) R27.2@10.3,79.1 ; v1(10,82.2) 10.3,81.9 R27.2@10.3,79.1 ; R23.1@10.3,75.4 10.3,76.4 ; 5.1@15,71.9 14,72.9 14,75.875 13.475,76.4 10.3,76.4 ; 10.3,76.4 R27.2@10.3,79.1
  Bottom Layer w0.3: v1(-1.6,80.25) 1.3,80.25 2.45,79.1 v1(9.2,79.1) ; v1(10,82.2) 11.2,82.2 11.859,82.859 11.859,84.191 11.3,84.75 7.55,84.75 5.5,86.8 5.5,90.35 7.15,92 12.9,92 v1(15.7,94.8)
Net7_1: 7.1 DA1.15 R20.2 R21.1 R24.1 R29.1 | length 92.3
  Top Layer w0.2: DA1.15@2.15,90 5.534,90 6.034,90.5 12.5,90.5 15.7,93.7
  Top Layer w0.3: R29.1@-16.8,78.1 R20.2@-14.8,78.1 ; v1(-14.75,76.6) R20.2@-14.75,78.05 ; v1(13.75,78.25) R24.1@15,78.25 15,76.8 ; 7.1@15,75.3 15,76.8 ; 15.7,93.7 19.05,93.7 24,88.75 v1(24,72) ; R21.1@18.45,73.75 18.45,76.075 17.725,76.8 15,76.8 ; v1(18.5,72) R21.1@18.5,73.7
  Bottom Layer w0.3: v1(-14.75,76.6) -13.1,78.25 v1(13.75,78.25) ; v1(18.5,72) v1(24,72)
Net9_1: 9.1 DA1.35 | length 19
  Top Layer w0.2: 9.1@-18.8,102.45 -18.8,101.881 -8.419,91.5 DA1.35@-4.65,91.5
Net10_1: 10.1 DA1.36 | length 18
  Top Layer w0.2: 10.1@-18.8,100.4 -15.7,97.3 -14.9,97.3 -8.6,91 DA1.36@-4.65,91
Net12_1: 12.1 DA1.37 | length 17.4
  Top Layer w0.2: 12.1@-18.8,98.4 -17.2,96.8 -15,96.8 -8.7,90.5 DA1.37@-4.65,90.5
Net13_1: 13.1 DA1.38 | length 16.8
  Top Layer w0.2: 13.1@-18.8,96.4 -15.25,96.4 -8.85,90 DA1.38@-4.65,90
Net15_1: 15.1 DA1.20 R42.2 | length 12.1
  Top Layer w0.2: DA1.20@2.15,92.5 2.15,94.15 R42.2@8,100 15.1@10.2,100
Net17_1: 17.1 C38.2 DA1.3 R46.1 R49.2 XT3.1 | length 71.1
  Top Layer w0.2: DA1.3@1.6,84 5.7,84 7.6,82.1 v1(7.6,81.7)
  Top Layer w0.3: v1(26.5,81) C38.2@28.3,81 R49.2@28.3,79.25 R46.1@28.3,77.55
  Top Layer w0.5: R46.1@28.3,77.55 17.1@28.3,75.6 32.65,75.6 38.25,70 XT3.1@63.5,70
  Bottom Layer w0.3: v1(7.6,81.7) 8.1,81.2 14.7,81.2 14.85,81.05 26.45,81.05 v1(26.5,81)
Net49_1: 49.1 DD5.15 R109.2 | length 6.8
  Top Layer w0.25: DD5.15@-18.747,14.95 -18.747,15.453 -18.4,15.8 R109.2@-14.9,15.8 49.1@-14.9,18.15
NetB1_+: B1.+ C53.2 DD1.1 R112.2 | length 20.3
  Top Layer w0.25: v1@13.3,21.2 v1(13.305,21.195) DD1.1@14.909,21.195
  Bottom Layer w0.5: v1(13.305,21.195) 12.8,21.7 C53.2@12.8,22.9 R112.2@14.5,22.9
  Bottom Layer w0.65: R112.2@14.5,22.9 21.2,22.9 27.1,17
NetC6_2: C6.2 C7.2 R1.1 R5.1 VT1.5 VT1.6 VT1.7 VT1.8 | length 79.4
  Bottom Layer w0.5: R5.1@-14.7,87 -18.7,87 -21.6,89.9 -21.6,96.65 -27.05,102.1 -27.05,120.95 -16.507,131.493 v1(6.607,131.493)
NetC11_2: C11.2 C12.2 C13.1 R2.1 R4.1 VD1.1 VD1.2 VD1.3 | length 80.3
  Bottom Layer w0.5: R4.1@-13.7,90.85 -16.35,90.85 -17.9,92.4 -17.9,98.514 18.836,135.25 v1(36.25,135.25)
NetC18_2: C18.2 R6.1 | length 2.7
  Top Layer w1: R6.1@17.25,108.25 C18.2@20,108.25
NetC19_2: C19.2 R7.1 | length 2.9
  Top Layer w1: C19.2@29.898,108.25 R7.1@32.748,108.25
NetC26_2: C26.2 R22.1 R23.2 | length 3.5
  Top Layer w0.3: R22.1@8.55,74 R23.2@10.3,74 C26.2@12.05,74
NetC27_2: C27.2 R24.2 R25.1 | length 3.9
  Top Layer w0.3: R25.1@16.4,80 R24.2@16.4,78.25 C27.2@18.55,78.25
NetC33_2: C33.2 DA1.10 DA1.53 R34.2 | length 103.3
  Top Layer w0.2: v1(-5,81.1) -4.25,81.1 -4,81.35 DA1.53@-4,82.35 ; DA1.10@1.6,87.5 7.969,87.5 9.619,89.15 15.15,89.15 15.7,89.7 21.3,89.7 22.5,88.5 22.5,83.45 21.55,82.5 ; R34.2@18.55,81.75 19.3,82.5 21.55,82.5 ; v1(22.2,72.75) 22.5,73.05 22.5,81.55 21.55,82.5
  Top Layer w0.3: C33.2@18.55,80 R34.2@18.55,81.75
  Bottom Layer w0.3: v1(-5,81.1) -5.6,80.5 -15.25,80.5 -17,78.75 -17,75.25 -14.95,73.2 -3.7,73.2 -2.7,72.2 5.4,72.2 5.95,72.75 v1(22.2,72.75)
NetC34_2: C34.2 DA1.19 | length 7.4
  Top Layer w0.2: DA1.19@2.15,92 3.25,92 C34.2@7.7,96.45